# Altium PCB Copy of DIOT_temperature_logger.PcbDoc (part 1 of 7) (continued)
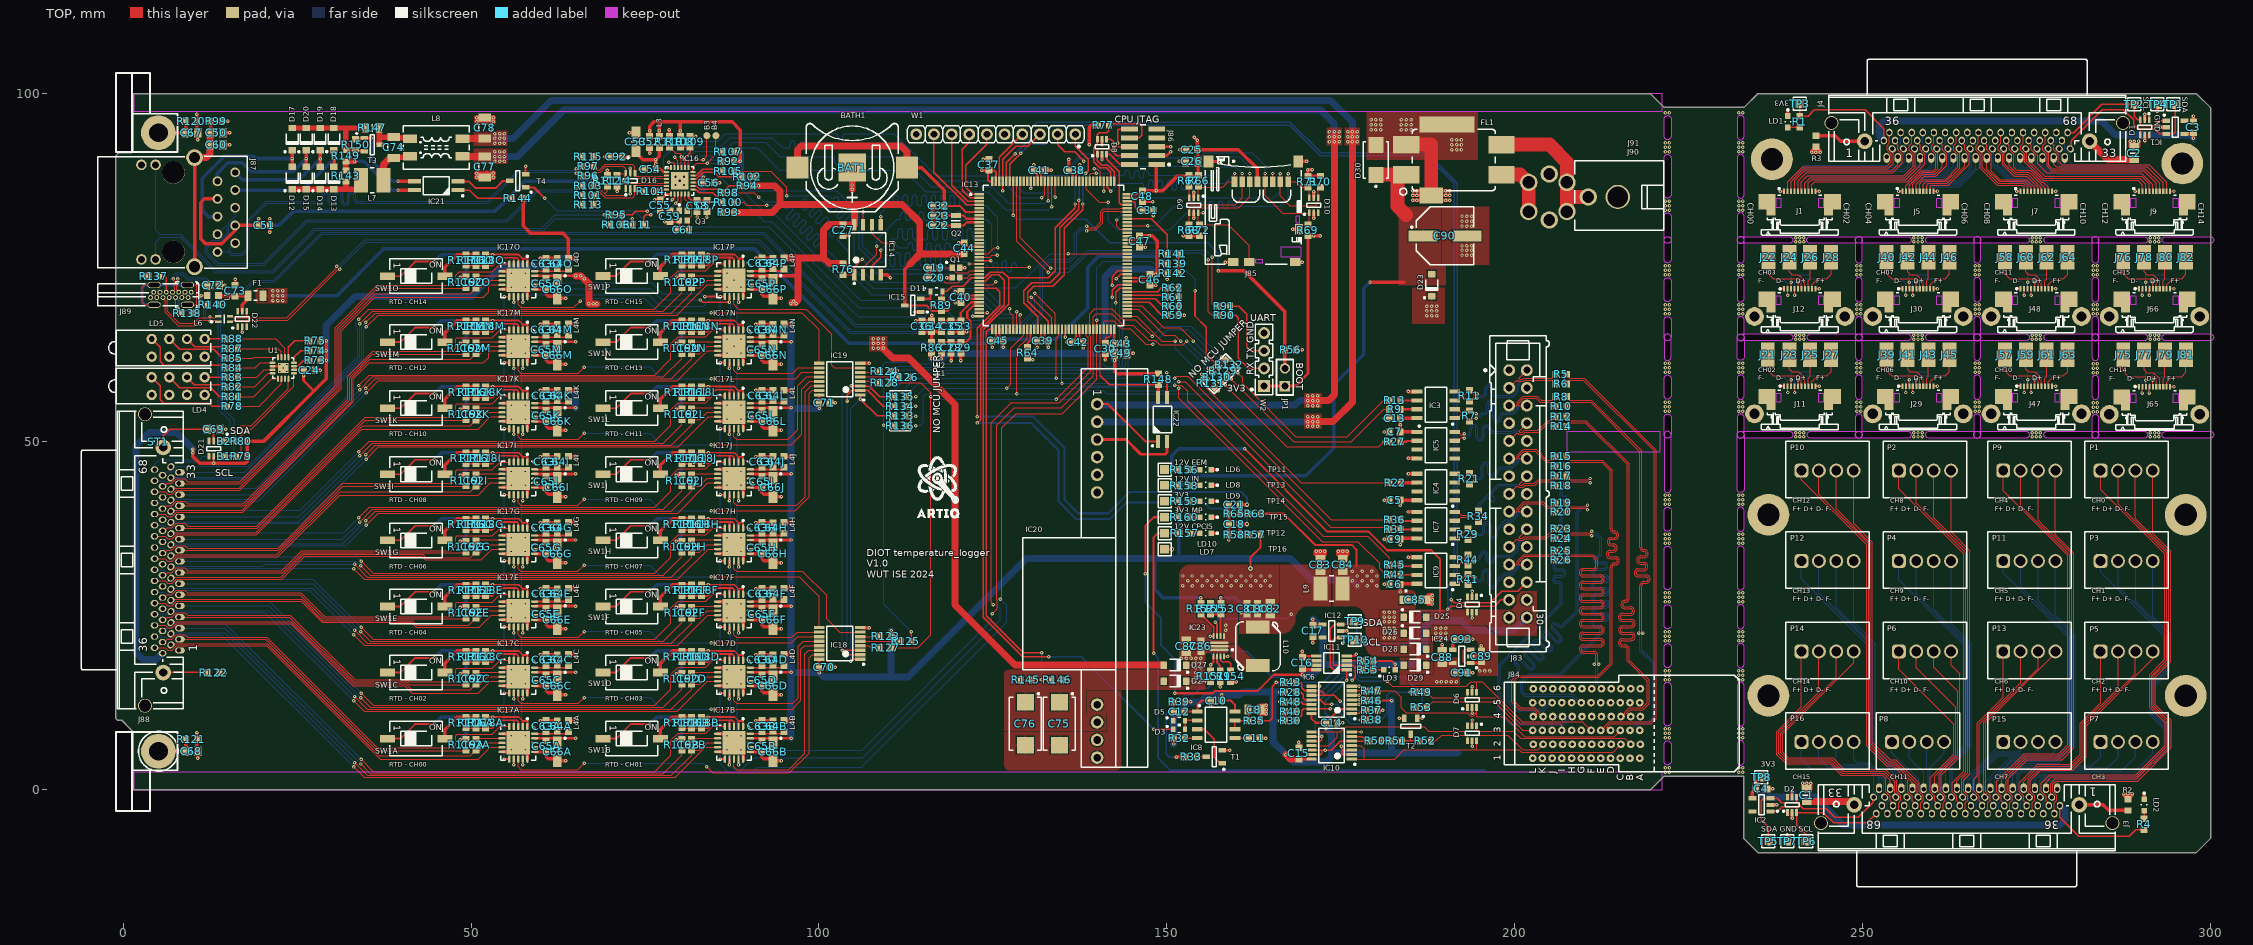
[diagram p0: TOP view]
## Design rules (kind name [scope] priority, off if disabled: settings) (continued)
ParallelSegment ParallelSegment_PHY [InNetClass('PHY')] p5: limit=10 gap=0.5
ParallelSegment ParallelSegment_SD [InNetClass('SD')] p6: limit=10 gap=0.5
ParallelSegment ParallelSegment_QSPI [InNetClass('QSPI')] p7: limit=10 gap=0.533
PlaneClearance PlaneClearance_HV [InNetClass('HV')] p1: clearance=1
PlaneClearance [All] p2: clearance=0.2
PlaneConnect [All] p1: pad.planeconnectstyle=Relief pad.reliefexpansion=0.254 pad.reliefentries=4 pad.reliefconductorwidth=0.254 pad.reliefairgap=0.152 via.planeconnectstyle=Direct via.reliefexpansion=0.508 via.reliefentries=4 via.reliefconductorwidth=0.254 via.reliefairgap=0.254
PolygonConnect [isVia] p1: connectstyle=Direct reliefconductorwidth=0.254 reliefentries=4 polygonreliefangle="90 Angle" airgapwidth=0.254
PolygonConnect PolygonConnect_LDO [HasFootprint('SON50P300X300X80-9N-R170X244')] p2: connectstyle=Direct reliefconductorwidth=0.254 reliefentries=4 polygonreliefangle="90 Angle" airgapwidth=0.254
PolygonConnect PolygonConnect_SO8 [All vs HasFootprint('SOIC127P600X175-8N')] p3: connectstyle=Direct reliefconductorwidth=0.254 reliefentries=4 polygonreliefangle="90 Angle" airgapwidth=0.254
PolygonConnect PowerPolygon [All vs HasFootprint('TEXAS_RGX0011A')] p4: connectstyle=Direct reliefconductorwidth=0.254 reliefentries=4 polygonreliefangle="90 Angle" airgapwidth=0.254
PolygonConnect PowerPolygon_1 [All vs HasFootprint('IND_TDK_SPM6530')] p5: connectstyle=Direct reliefconductorwidth=0.254 reliefentries=4 polygonreliefangle="90 Angle" airgapwidth=0.254
PolygonConnect PowerPolygon_USB [All vs HasFootprint('KYCON_KUSBX-SL-CS1N14-B')] p6: connectstyle=Direct reliefconductorwidth=0.254 reliefentries=4 polygonreliefangle="90 Angle" airgapwidth=0.254
PolygonConnect PolygonConnect_Power [InComponent('C155') or InComponent('C156') or  InComponent('C157') or  InComponent('C158') or InComponent('C163') or InComponent('C164')  or InComponent('C165')or InComponent('C167') or InComponent('L2_1')  or InComponent('L2_2') or InComponent('L2_3') or InComponent('L2_4')    or InComponent('L4_1')  or InComponent('L4_2') or InComponent('L4_3') or InComponent('L4_4')] p7: connectstyle=Relief reliefconductorwidth=0.4 reliefentries=4 polygonreliefangle="90 Angle" airgapwidth=0.254
PolygonConnect PolygonConnect_BGA [HasFootprint('LGA25C127P5X5_625X625X192')] p8: connectstyle=Direct reliefconductorwidth=0.254 reliefentries=4 polygonreliefangle="90 Angle" airgapwidth=0.254
PolygonConnect PolygonConnect_pad [All] p9: thpad.connectstyle=Relief thpad.reliefconductorwidth=0.254 thpad.reliefentries=4 thpad.polygonreliefangle="90 Angle" thpad.airgapwidth=0.152 smdpad.connectstyle=Relief smdpad.reliefconductorwidth=0.254 smdpad.reliefentries=4 smdpad.polygonreliefangle="90 Angle" smdpad.airgapwidth=0.152 via.connectstyle=Direct via.reliefconductorwidth=0.254 via.reliefentries=4 via.polygonreliefangle="90 Angle" via.airgapwidth=0.152
ReturnPath ReturnPath_PHY_T [InNetClass('PHY_T')] p1: impedanceprofileid={72595B2D-DB80-4762-8402-0ED76FD3E2C2} _gaplimit=0 _useantipads=TRUE
ReturnPath ReturnPath_PHY [InNetClass('PHY')] p2: impedanceprofileid={72595B2D-DB80-4762-8402-0ED76FD3E2C2} _gaplimit=0 _useantipads=TRUE
ReturnPath ReturnPath_LVDS [InNetClass('LVDS')] p3: impedanceprofileid={ED597564-6D22-4C41-AEDB-F21F24BAB821} _gaplimit=0 _useantipads=TRUE
ReturnPath ReturnPath_SD [InNetClass('SD')] p4: impedanceprofileid={20DC70F6-4B95-4518-9551-CADF6722EEF5} _gaplimit=0 _useantipads=TRUE
ReturnPath ReturnPath_QSPI [InNetClass('QSPI')] p5: impedanceprofileid={86676834-1970-432C-9602-162800B75D81} _gaplimit=0 _useantipads=TRUE
ReturnPath ReturnPath_USB [InNetClass('USB')] p6: impedanceprofileid={037889F8-43CA-405E-8561-61A34FA8F9C2} _gaplimit=0 _useantipads=TRUE
ReturnPath ReturnPath_RMII [InNetClass('RMII')] p7: impedanceprofileid={95436CA8-0AF9-48FC-8836-A3859236161A} _gaplimit=0 _useantipads=TRUE
RoomDefinition RTD_15 [InComponentClass('RTD_15')] p1: confinementstyle=ConfineIn formatcopy=FALSE lockcomponents=FALSE outline 67.5,69 97,69 97,77.525 67.5,77.525
RoomDefinition RTD_10 [InComponentClass('RTD_10')] p2: confinementstyle=ConfineIn formatcopy=TRUE lockcomponents=FALSE outline 36.5,50 66,50 66,58.525 36.5,58.525
RoomDefinition RTD_14 [InComponentClass('RTD_14')] p3: confinementstyle=ConfineIn formatcopy=TRUE lockcomponents=FALSE outline 36.5,68.975 66,68.975 66,77.5 36.5,77.5
RoomDefinition RTD_12 [InComponentClass('RTD_12')] p4: confinementstyle=ConfineIn formatcopy=TRUE lockcomponents=FALSE outline 36.5,59.5 66,59.5 66,68.025 36.5,68.025
RoomDefinition RTD_00 [InComponentClass('RTD_00')] p5: confinementstyle=ConfineIn formatcopy=TRUE lockcomponents=FALSE outline 36.5,2.5 66,2.5 66,11.025 36.5,11.025
RoomDefinition RTD_08 [InComponentClass('RTD_08')] p6: confinementstyle=ConfineIn formatcopy=TRUE lockcomponents=FALSE outline 36.5,40.5 66,40.5 66,49.025 36.5,49.025
RoomDefinition RTD_01 [InComponentClass('RTD_01')] p7: confinementstyle=ConfineIn formatcopy=FALSE lockcomponents=FALSE outline 67.5,2.5 97,2.5 97,11.025 67.5,11.025
RoomDefinition RTD_02 [InComponentClass('RTD_02')] p8: confinementstyle=ConfineIn formatcopy=TRUE lockcomponents=FALSE outline 36.5,12 66,12 66,20.525 36.5,20.525
RoomDefinition RTD_05 [InComponentClass('RTD_05')] p9: confinementstyle=ConfineIn formatcopy=FALSE lockcomponents=FALSE outline 67.5,21.5 97,21.5 97,30.025 67.5,30.025
RoomDefinition RTD_06 [InComponentClass('RTD_06')] p10: confinementstyle=ConfineIn formatcopy=TRUE lockcomponents=FALSE outline 36.5,31 66,31 66,39.525 36.5,39.525
RoomDefinition RTD_04 [InComponentClass('RTD_04')] p11: confinementstyle=ConfineIn formatcopy=TRUE lockcomponents=FALSE outline 36.5,21.5 66,21.5 66,30.025 36.5,30.025
RoomDefinition RTD_09 [InComponentClass('RTD_09')] p12: confinementstyle=ConfineIn formatcopy=FALSE lockcomponents=FALSE outline 67.5,40.5 97,40.5 97,49.025 67.5,49.025
RoomDefinition RTD_13 [InComponentClass('RTD_13')] p13: confinementstyle=ConfineIn formatcopy=FALSE lockcomponents=FALSE outline 67.5,59.5 97,59.5 97,68.025 67.5,68.025
RoomDefinition RTD_03 [InComponentClass('RTD_03')] p14: confinementstyle=ConfineIn formatcopy=FALSE lockcomponents=FALSE outline 67.5,12 97,12 97,20.525 67.5,20.525
RoomDefinition RTD_07 [InComponentClass('RTD_07')] p15: confinementstyle=ConfineIn formatcopy=FALSE lockcomponents=FALSE outline 67.5,31 97,31 97,39.525 67.5,39.525
RoomDefinition RTD_11 [InComponentClass('RTD_11')] p16: confinementstyle=ConfineIn formatcopy=FALSE lockcomponents=FALSE outline 67.5,50 97,50 97,58.525 67.5,58.525
RoutingVias RoutingVias_HPOW [InNetClass('HPOW')] p1: holewidth=0.711 width=1.27 viastyle="Through Hole" minholewidth=0.711 minwidth=1.27 maxholewidth=0.711 maxwidth=1.27 useviatemplates=TRUE viatemplateguid#1={F578D057-30EB-4709-90BA-9E25A9306484} viatemplateguid#2={B5D767B0-96F0-490E-9621-DF468C9DD5C8} viatemplatename#1=v50h20m0mx0 viatemplatename#2=v66h33m0mx0
RoutingVias [All] p2: holewidth=0.2 width=0.5 viastyle="Through Hole" minholewidth=0.2 minwidth=0.5 maxholewidth=1 maxwidth=2 viatemplateguid#1={B5D767B0-96F0-490E-9621-DF468C9DD5C8} viatemplateguid#2={F578D057-30EB-4709-90BA-9E25A9306484} viatemplateguid#3={A86ABFB5-DEF7-4A39-8B53-0CFF0DEED7D0} viatemplateguid#4={CC3703E4-4F4D-4ECC-8BAE-5075FE03B580} viatemplatename#1=v66h33m0mx0 viatemplatename#2=v50h20m0mx0 viatemplatename#3=v60h30 viatemplatename#4=v70h40m0mx0
SMDToCorner [All] p1: distance=0
SignalStimulus [All] p1: kind=1 level=0 starttime=10.00n stoptime=60.00n periodtime=100.0n
SilkToSilkClearance [All] p1: silktosilkclearance=0.076
SilkToSolderMaskClearance SilkscreenOverComponentPads [IsPad] p1: minsilkscreentomaskgap=0.102 clearancetoexposedcopper=TRUE
SolderMaskExpansion Via [isVia] p1: expansion=-0.015 istentingtop=TRUE
SolderMaskExpansion [All] p2: expansion=0.015 istentingtop=FALSE
StubLength StubLength_USB [InNetClass('USB')] p1: limit=1.27
StubLength StubLength_PHY_T [InNetClass('PHY_T')] p2: limit=1.27
StubLength StubLength_PHT [InNetClass('PHY')] p3: limit=1.27
StubLength StubLength_SD [All] p4: limit=1.27
StubLength StubLength_RMII [InNetClass('RMII')] p5: limit=1.27
SupplyNets "Schematic Supply Nets_8" [InNet('P3V3_EXP2')] p1: voltage=0.000
SupplyNets "Schematic Supply Nets_3" [InNet('P3V3_EXP1')] p2: voltage=0.000
SupplyNets "Schematic Supply Nets_17" [InNet('P12V0_F')] p3: voltage=0.000
SupplyNets "Schematic Supply Nets_16" [InNet('P12V0_CPCIS')] p4: voltage=0.000
SupplyNets "Schematic Supply Nets_15" [InNet('5V0_USB')] p5: voltage=0.000
SupplyNets "Schematic Supply Nets_14" [InNet('P12V0_IN')] p6: voltage=0.000
SupplyNets "Schematic Supply Nets_13" [InNet('GND')] p7: voltage=0.000
SupplyNets "Schematic Supply Nets_12" [InNet('P3V3_CPCIS')] p8: voltage=0.000
SupplyNets "Schematic Supply Nets_11" [InNet('P3V3')] p9: voltage=0.000
SupplyNets "Schematic Supply Nets_10" [InNet('P12V0F')] p10: voltage=0.000
SupplyNets "Schematic Supply Nets_9" [InNet('P12V0_POE')] p11: voltage=0.000
SupplyNets "Schematic Supply Nets_7" [InNet('P3V3_MP')] p12: voltage=0.000
SupplyNets "Schematic Supply Nets_6" [InNet('VBUS')] p13: voltage=0.000
SupplyNets "Schematic Supply Nets_4" [InNet('AVDDT_PHY')] p14: voltage=0.000
SupplyNets "Schematic Supply Nets_2" [InNet('VIN')] p15: voltage=0.000
SupplyNets "Schematic Supply Nets_1" [InNet('GNDF')] p16: voltage=0.000
SupplyNets "Schematic Supply Nets" [InNet('P12V0_EEM')] p17: voltage=0.000
ViasUnderSMD ViasUnderSMD_QFN [HasFootprint('TSSOP28-EP') or HasFootprint('QFN65P500X500X80-21N-S335') or HasFootprint('QFN24_0R5_4X4') or HasFootprint('HVQFN-16')] p1: allowed=TRUE
ViasUnderSMD [All] p2: allowed=FALSE
Width Width_SDCard [InNetClass('SD')] p1: maxlimit=0.406 minlimit=0.102 preferedwidth=0.171 midlayer1_maxwidth=0.305 midlayer1_prefwidth=0.134 midlayer2_maxwidth=0.305 midlayer2_prefwidth=0.134 impedanceprofiledriven=TRUE impedanceprofileid={20DC70F6-4B95-4518-9551-CADF6722EEF5} impedanceprofilevalue=50.000000 minimp=50.000000 maximp=50.000000 favimp=50.000000
Width QSPI [InNetClass('QSPI')] p2: maxlimit=0.406 minlimit=0.102 preferedwidth=0.171 midlayer1_maxwidth=0.305 midlayer1_prefwidth=0.134 midlayer2_maxwidth=0.305 midlayer2_prefwidth=0.134 impedanceprofiledriven=TRUE impedanceprofileid={86676834-1970-432C-9602-162800B75D81} impedanceprofilevalue=50.000000 minimp=50.000000 maximp=50.000000 favimp=50.000000
Width RMII [InNetClass('RMII')] p3: maxlimit=0.203 minlimit=0.127 preferedwidth=0.171 toplayer_minwidth=0.152 midlayer1_prefwidth=0.134 midlayer2_prefwidth=0.134 bottomlayer_minwidth=0.152 impedanceprofiledriven=TRUE impedanceprofileid={95436CA8-0AF9-48FC-8836-A3859236161A} impedanceprofilevalue=50.000000 minimp=50.000000 maximp=50.000000 favimp=50.000000
Width Width_HPOW [InNetClass('HPOW')] p4: maxlimit=4 minlimit=0.254 preferedwidth=0.5
Width [All] p5: maxlimit=2 minlimit=0.1 preferedwidth=0.2 checkconnectedcopper=TRUE
18 further rules are at their usual default settings.

## Classes and differential pairs
net class SITempNetClass: 5V0_USB AVDDT_PHY GND GNDF P3V3 P3V3_CPCIS P3V3_EXP1 P3V3_EXP2 P3V3_MP P12V0_CPCIS P12V0_EEM P12V0_F P12V0_IN P12V0_POE P12V0F VBUS VIN
net class SITempNetClass: 5V0_USB AVDDT_PHY GND GNDF P3V3 P3V3_CPCIS P3V3_EXP1 P3V3_EXP2 P3V3_MP P12V0_CPCIS P12V0_EEM P12V0_F P12V0_IN P12V0_POE P12V0F VBUS VIN
net class "Adapter T": TFORCE_N00 TFORCE_N01 TFORCE_N02 TFORCE_N03 TFORCE_N04 TFORCE_N05 TFORCE_N06 TFORCE_N07 TFORCE_N08 TFORCE_N09 TFORCE_N10 TFORCE_N11 TFORCE_N12 TFORCE_N13 TFORCE_N14 TFORCE_N15 TFORCE_P00 TFORCE_P01 TFORCE_P02 TFORCE_P03 TFORCE_P04 TFORCE_P05 TFORCE_P06 TFORCE_P07 TFORCE_P08 TFORCE_P09 TFORCE_P10 TFORCE_P11 TFORCE_P12 TFORCE_P13 TFORCE_P14 TFORCE_P15
component class Designator: C1 C2 C3 C4 D1 D2 IC1 IC2 J1 J2 J3 J4 J5 J6 J7 J8 J9 J10 J11 J12 J13 J14 J15 J16 J17 J18 J19 J20 J21 J22 J23 J24 J25 J26 J27 J28 J29 J30 J31 J32 J33 J34 J35 J36 J37 J38 J39 J40 J41 J42 J43 J44 J45 J46 J47 J48 J49 J50 J51 J52 J53 J54 J55 J56 J57 J58 J59 J60 J61 J62 J63 J64 J65 J66 J67 J68 J69 J70 J71 J72 J73 J74 J75 J76 J77 J78 J79 J80 J81 J82 LD1 LD2 P1 P2 P3 P4 P5 P6 P7 P8 P9 P10 P11 P12 P13 P14 P15 P16 R1 R2 R3 R4 TP1 TP2 TP3 TP4 TP5 TP6 TP7 TP8
net class SITempNetClass: 3V3 5V0_USB AVDDT_PHY GND GNDF P3V3 P3V3_CPCIS P3V3_MP P12V0_CPCIS P12V0_EEM P12V0_F P12V0_IN P12V0_POE P12V0F PHY_NRST RMII_CRS_DV RMII_REF_CLK RMII_RXD0 RMII_RXD1 RMII_TX_EN RMII_TXD0 RMII_TXD1 USB_N USB_P USBJ_N USBJ_P VBUS VIN
differential pair class PHY: PHY_RD PHY_TD
differential pair class PHY_T: RD TD
differential pair class USB: USB USBJ
differential pair class LVDS: BP_IO.LVDS0 BP_IO.LVDS1 BP_IO.LVDS2 BP_IO.LVDS3 BP_IO.LVDS4 BP_IO.LVDS5 BP_IO.LVDS6 BP_IO.LVDS7 LVDS0 LVDS1 LVDS2 LVDS3 LVDS4 LVDS5 LVDS6 LVDS7
net class PHY_T: RD_N RD_P TD_N TD_P
net class CS_MAX: MAX_CH_A0 MAX_CH_A1 MAX_CH_A2 MAX_CH_A3 MAX_CS00 MAX_CS01 MAX_CS02 MAX_CS03 MAX_CS04 MAX_CS05 MAX_CS06 MAX_CS07 MAX_CS08 MAX_CS09 MAX_CS10 MAX_CS11 MAX_CS12 MAX_CS13 MAX_CS14 MAX_CS15
net class POWE: 3V3 5V0_USB P3V3 P3V3_CPCIS P3V3_MP P12V0_CPCIS P12V0_EEM P12V0_F P12V0_IN P12V0_POE P12V0F POE_VC+ POE_VC- USB_VBUS VBAT VBUS VC+ VC- VDDA VDDCR VIN VREF+
net class JTAG: JRST RSTn SWCLK SWDIO TDI TDO
net class BP_IO: BP_IO.LVDS0_N BP_IO.LVDS0_P BP_IO.LVDS1_N BP_IO.LVDS1_P BP_IO.LVDS2_N BP_IO.LVDS2_P BP_IO.LVDS3_N BP_IO.LVDS3_P BP_IO.LVDS4_N BP_IO.LVDS4_P BP_IO.LVDS5_N BP_IO.LVDS5_P BP_IO.LVDS6_N BP_IO.LVDS6_P BP_IO.LVDS7_N BP_IO.LVDS7_P
net class USB: USB_N USB_P USBJ_N USBJ_P
net class DEBUG: JRST RSTn SWCLK SWDIO TDI TDO
net class SPI: CSN EEM_GPIO_0 EEM_GPIO_1 EEM_GPIO_2 EEM_GPIO_3 EEM_SCK EEM_SDI EEM_SDO SPI1_MISO SPI1_MOSI SPI1_NSS SPI1_SCK SPI4_CLK SPI4_MISO SPI4_MOSI SPI4_NSS
net class QSPI: QSPI_BK1_CLK QSPI_BK1_D0 QSPI_BK1_D1 QSPI_BK1_D2 QSPI_BK1_D3 QSPI_BK1_NSS
net class SD: SD_CK SD_CMD SD_D0 SD_D1 SD_D2 SD_D3
net class LVDS: LVDS0_N LVDS0_P LVDS1_N LVDS1_P LVDS2_N LVDS2_P LVDS3_N LVDS3_P LVDS4_N LVDS4_P LVDS5_N LVDS5_P LVDS6_N LVDS6_P LVDS7_N LVDS7_P
net class PHY: PHY_RD_N PHY_RD_P PHY_TD_N PHY_TD_P RD_N RD_P TD_N TD_P
net class RMII: PHY_NRST RMII_CRS_DV RMII_REF_CLK RMII_RXD0 RMII_RXD1 RMII_TX_EN RMII_TXD0 RMII_TXD1
net class PWR: P12V0_CPCIS
component class RTD_15: C62P C63P C64P C65P C66P IC17P L4P R116P R117P R118P R119P SW1P
component class RTD_14: C62O C63O C64O C65O C66O IC17O L4O R116O R117O R118O R119O SW1O
component class RTD_13: C62N C63N C64N C65N C66N IC17N L4N R116N R117N R118N R119N SW1N
component class RTD_12: C62M C63M C64M C65M C66M IC17M L4M R116M R117M R118M R119M SW1M
component class RTD_11: C62L C63L C64L C65L C66L IC17L L4L R116L R117L R118L R119L SW1L
component class RTD_10: C62K C63K C64K C65K C66K IC17K L4K R116K R117K R118K R119K SW1K
component class RTD_09: C62J C63J C64J C65J C66J IC17J L4J R116J R117J R118J R119J SW1J
component class RTD_08: C62I C63I C64I C65I C66I IC17I L4I R116I R117I R118I R119I SW1I
component class RTD_07: C62H C63H C64H C65H C66H IC17H L4H R116H R117H R118H R119H SW1H
component class RTD_06: C62G C63G C64G C65G C66G IC17G L4G R116G R117G R118G R119G SW1G
component class RTD_05: C62F C63F C64F C65F C66F IC17F L4F R116F R117F R118F R119F SW1F
component class RTD_04: C62E C63E C64E C65E C66E IC17E L4E R116E R117E R118E R119E SW1E
channel class RTD: RTD_00 RTD_01 RTD_02 RTD_03 RTD_04 RTD_05 RTD_06 RTD_07 RTD_08 RTD_09 RTD_10 RTD_11 RTD_12 RTD_13 RTD_14 RTD_15
component class RTD_03: C62D C63D C64D C65D C66D IC17D L4D R116D R117D R118D R119D SW1D
component class RTD_02: C62C C63C C64C C65C C66C IC17C L4C R116C R117C R118C R119C SW1C
component class RTD_01: C62B C63B C64B C65B C66B IC17B L4B R116B R117B R118B R119B SW1B
component class RTD_00: C62A C63A C64A C65A C66A IC17A L4A R116A R117A R118A R119A SW1A
net class HPOW: NetC74_1 NetC74_2 P12V0_POE POE_VC+ POE_VC- VC+ VC- VIN
component class EEM_connector: C5 C6 C7 C8 C9 C10 C11 C12 C13 C14 C15 C16 C17 D3 D4 D5 D6 D7 IC3 IC4 IC5 IC6 IC7 IC8 IC9 IC10 IC11 IC12 J83 J84 LD3 R5 R6 R7 R8 R9 R10 R11 R12 R13 R14 R15 R16 R17 R18 R19 R20 R21 R22 R23 R24 R25 R26 R27 R28 R29 R30 R31 R32 R33 R34 R35 R36 R37 R38 R39 R40 R41 R42 R43 R44 R45 R46 R47 R48 R49 R50 R51 R52 R53 R54 R55 T1 T2 TP9 TP10
component class Thermostat_16CH: C67 C68 C69 C70 C71 D21 IC18 IC19 J88 R120 R121 R122 R123 R124 R125 R126 R127 R128 R129 R130 R131 R132 R133 R134 R135 R136 SCREW5 SCREW6 SCREW7 SCREW8 ST1 Standoff1 Standoff2 Standoff4
net class HV: NetC74_1 NetC74_2 NetIC20_3 NetIC21_3 NetIC21_4 POE_IN1 POE_IN2 POE_IN3 POE_IN4 POE_VC+ POE_VC- VC+ VC-
component class USB: C72 C73 D22 F1 J89 L5 L6 R137 R138 R139 R140 R141 R142
component class U_STM32_F4CPU: B1 B2 BAT1 BATH1 C18 C19 C20 C21 C22 C23 C24 C25 C26 C27 C28 C29 C30 C31 C32 C33 C34 C35 C36 C37 C38 C39 C40 C41 C42 C43 C44 C45 C46 C47 C48 C49 D8 D9 D10 D11 IC13 IC14 IC15 J85 J86 JP1 L1 L2 LD4 LD5 Q1 Q2 R56 R57 R58 R59 R60 R61 R62 R63 R64 R65 R66 R67 R68 R69 R70 R71 R72 R73 R74 R75 R76 R77 R78 R79 R80 R81 R82 R83 R84 R85 R86 R87 R88 R89 R90 R91 U1 W1 W2
component class RMII_Ethernet: B3 B4 C50 C51 C52 C53 C54 C55 C56 C57 C58 C59 C60 C61 C92 D12 D13 D14 D15 D16 D17 D18 D19 D20 IC16 J87 L3 Q3 R92 R93 R94 R95 R96 R97 R98 R99 R100 R101 R102 R103 R104 R105 R106 R107 R108 R109 R110 R111 R112 R113 R114 R115
component class U_Thermostat_Supply: C74 C75 C76 C77 C78 C79 C80 C81 C82 C83 C84 C85 C86 C87 C88 C89 C90 C91 C93 D23 D24 D25 D26 D27 D28 D29 D30 FL1 IC20 IC21 IC22 IC23 IC24 J90 J91 L7 L8 L9 L10 LD6 LD7 LD8 LD9 LD10 R143 R144 R145 R146 R147 R148 R149 R150 R151 R152 R153 R154 R155 R156 R157 R158 R159 R160 T3 T4 TP11 TP12 TP13 TP14 TP15 TP16
differential pair BP_IO.LVDS1: +BP_IO.LVDS1_P -BP_IO.LVDS1_N
differential pair BP_IO.LVDS0: +BP_IO.LVDS0_P -BP_IO.LVDS0_N
differential pair BP_IO.LVDS3: +BP_IO.LVDS3_P -BP_IO.LVDS3_N
differential pair BP_IO.LVDS7: +BP_IO.LVDS7_P -BP_IO.LVDS7_N
differential pair BP_IO.LVDS6: +BP_IO.LVDS6_P -BP_IO.LVDS6_N
differential pair BP_IO.LVDS5: +BP_IO.LVDS5_P -BP_IO.LVDS5_N
differential pair BP_IO.LVDS4: +BP_IO.LVDS4_P -BP_IO.LVDS4_N
differential pair BP_IO.LVDS2: +BP_IO.LVDS2_P -BP_IO.LVDS2_N
differential pair LVDS7: +LVDS7_P -LVDS7_N
differential pair LVDS6: +LVDS6_P -LVDS6_N
differential pair LVDS5: +LVDS5_P -LVDS5_N
differential pair LVDS4: +LVDS4_P -LVDS4_N
differential pair LVDS3: +LVDS3_P -LVDS3_N
differential pair LVDS2: +LVDS2_P -LVDS2_N
differential pair LVDS1: +LVDS1_P -LVDS1_N
differential pair LVDS0: +LVDS0_P -LVDS0_N
differential pair TD: +TD_P -TD_N
differential pair RD: +RD_P -RD_N
differential pair USB: +USB_P -USB_N
differential pair USBJ: +USBJ_P -USBJ_N
differential pair PHY_TD: +PHY_TD_P -PHY_TD_N
differential pair PHY_RD: +PHY_RD_P -PHY_RD_N

## Components (designator, comment, footprint, x,y, rotation, side; value= is the part's Value field where it differs from the comment)
B1 "SMD Pad" C100 14.5,47.9 r90 top
B2 "SMD Pad" C100 14.5,50.1 r90 top
B3 "SMD Pad" C100 83.9,94 r0 top
B4 "SMD Pad" C100 85.2,94 r0 top
BAT1 "3V" BAT_VARTA_CR1220 104.8,89.4 r0 top
BATH1 "Value" BATH_KEYSTONE_3000 104.8,89.4 r0 top locked
C1 "Undefined" CAPC2012X135N 242,-0.8 r270 top
C2 "Undefined" CAPC2012X135N 289.1,91.5 r270 top
C3 "100nF" CAPC1608X87N 297.6,95.2 r270 top
C4 "100nF" CAPC1608X87N 235.5,0.1 r180 top
C5 "100nF" CAPC1608X87N 182.8,41.6 r180 top
C6 "100nF" CAPC1608X87N 182.8,29.5 r180 top
C7 "100nF" CAPC1608X87N 182.8,51.4 r0 top
C8 "22uF" CAPC2012X135N 162.6,11.5 r180 top
C9 "100nF" CAPC1608X87N 182.8,36 r180 top
C10 "100nF" CAPC1608X87N 157.1,12.8 r0 top
C11 "100nF" CAPC1608X87N 162.6,7.4 r180 top
C12 "1uF" CAPC1608X87N 151.8,11.2 r180 top
C13 "100nF" CAPC1608X87N 182.8,53.4 r180 top
C14 "100nF" CAPC1608X87N 173.7,9.6 r180 top
C15 "100nF" CAPC1608X87N 169,5.2 r270 top
C16 "100nF" CAPC1608X87N 169.5,18.2 r270 top
C17 "100nF" CAPC1608X87N 171,22.8 r90 top
C18 "100nF" CAPC1608X87N 159.7,38.15 r0 top
C19 "18pF" CAPC1608X87N 116.6,75 r0 top
C20 "18pF" CAPC1608X87N 116.6,73.6 r180 top
C21 "100nF" CAPC1608X87N 159.7,40.95 r0 top
C22 "12pF" CAPC1608X87N 117.2,81.1 r180 top
C23 "12pF" CAPC1608X87N 117.2,82.5 r180 top
C24 "100nF" CAPC1608X87N 26.725,60.3 r180 top
C25 "100nF" CAPC1608X87N 153.6,92 r0 top
C26 "22uF" CAPC2012X135N 153.6,90.3 r0 top
C27 "100nF" CAPC1608X87N 103.5,80.4 r90 top
C28 "1uF" CAPC1608X87N 119,63.5 r90 top
C29 "10nF" CAPC1608X87N 120.4,63.5 r90 top
C30 "2.2uF" CAPC1608X90N 141.2,63.4 r90 top
C31 "2.2uF" CAPC1608X90N 147.3,83.3 r180 top
C32 "100nF" CAPC1608X87N 117.2,83.9 r0 top
C33 "10nF" CAPC1608X87N 120.4,66.6 r90 top
C34 "1uF" CAPC1608X87N 116.2,66.6 r270 top
C35 "100nF" CAPC1608X87N 119,66.6 r90 top
C36 "100nF" CAPC1608X87N 114.8,66.6 r270 top
C37 "100nF" CAPC1608X87N 124.425,89.825 r270 top
C38 "100nF" CAPC1608X87N 136.7,89 r180 top
C39 "100nF" CAPC1608X87N 132.2,64.5 r0 top
C40 "100nF" CAPC1608X87N 120.4,70.8 r90 top
C41 "100nF" CAPC1608X87N 131.7,89 r180 top
C42 "100nF" CAPC1608X87N 137.2,64.3 r0 top
C43 "100nF" CAPC1608X87N 143.4,64.1 r180 top
C44 "100nF" CAPC1608X87N 120.9,77.8 r270 top
C45 "100nF" CAPC1608X87N 125.7,64.5 r0 top
C46 "100nF" CAPC1608X87N 147.6,73.3 r90 top
C47 "100nF" CAPC1608X87N 146.1,78.8 r90 top
C48 "100nF" CAPC1608X87N 146.5,85.3 r90 top
C49 "22uF" CAPC2012X135N 143.4,62.7 r180 top
C50 "Undefined" CAPC2012X135N 13.4,94.4 r0 top
C51 "100nF" CAPC1608X87N 20.275,81.1 r180 top
C52 "100nF" CAPC1608X87N 75.675,93.1 r90 top
C53 "10uF" CAPMP3216X180N 73.7,93.1 r90 top
C54 "100nF" CAPC1608X87N 75.775,89.2 r0 top
C55 "100nF" CAPC1608X87N 77.2,84 r90 top
C56 "100nF" CAPC1608X87N 84.175,87.25 r180 top
C57 "1uF" CAPC1608X87N 83.9,83.9 r90 top
C58 "10nF" CAPC1608X87N 82.5,83.9 r90 top
C59 "18pF" CAPC1608X87N 78.6,82.4 r90 top
C60 "Undefined" CAPC2012X135N 13.4,92.7 r0 top
C61 "18pF" CAPC1608X87N 80.5,80.5 r0 top
C62A "100nF" CAPC1608X87N 50.7,6.425 r90 top (schematic designator C62)
C62B "100nF" CAPC1608X87N 81.7,6.425 r90 top (schematic designator C62)
C62C "100nF" CAPC1608X87N 50.7,15.925 r90 top (schematic designator C62)
C62D "100nF" CAPC1608X87N 81.7,15.925 r90 top (schematic designator C62)
C62E "100nF" CAPC1608X87N 50.7,25.425 r90 top (schematic designator C62)
C62F "100nF" CAPC1608X87N 81.7,25.425 r90 top (schematic designator C62)
C62G "100nF" CAPC1608X87N 50.7,34.925 r90 top (schematic designator C62)
C62H "100nF" CAPC1608X87N 81.7,34.925 r90 top (schematic designator C62)
C62I "100nF" CAPC1608X87N 50.7,44.425 r90 top (schematic designator C62)
C62J "100nF" CAPC1608X87N 81.7,44.425 r90 top (schematic designator C62)
C62K "100nF" CAPC1608X87N 50.7,53.925 r90 top (schematic designator C62)
C62L "100nF" CAPC1608X87N 81.7,53.925 r90 top (schematic designator C62)
C62M "100nF" CAPC1608X87N 50.7,63.425 r90 top (schematic designator C62)
C62N "100nF" CAPC1608X87N 81.7,63.425 r90 top (schematic designator C62)
C62O "100nF" CAPC1608X87N 50.7,72.9 r90 top (schematic designator C62)
C62P "100nF" CAPC1608X87N 81.7,72.925 r90 top (schematic designator C62)
C63A "100nF" CAPC1608X87N 60.8,9.125 r270 top (schematic designator C63)
C63B "100nF" CAPC1608X87N 91.8,9.125 r270 top (schematic designator C63)
C63C "100nF" CAPC1608X87N 60.8,18.625 r270 top (schematic designator C63)
C63D "100nF" CAPC1608X87N 91.8,18.625 r270 top (schematic designator C63)
C63E "100nF" CAPC1608X87N 60.8,28.125 r270 top (schematic designator C63)
C63F "100nF" CAPC1608X87N 91.8,28.125 r270 top (schematic designator C63)
C63G "100nF" CAPC1608X87N 60.8,37.625 r270 top (schematic designator C63)
C63H "100nF" CAPC1608X87N 91.8,37.625 r270 top (schematic designator C63)
C63I "100nF" CAPC1608X87N 60.8,47.125 r270 top (schematic designator C63)
C63J "100nF" CAPC1608X87N 91.8,47.125 r270 top (schematic designator C63)
C63K "100nF" CAPC1608X87N 60.8,56.625 r270 top (schematic designator C63)
C63L "100nF" CAPC1608X87N 91.8,56.625 r270 top (schematic designator C63)
C63M "100nF" CAPC1608X87N 60.8,66.125 r270 top (schematic designator C63)
C63N "100nF" CAPC1608X87N 91.8,66.125 r270 top (schematic designator C63)
C63O "100nF" CAPC1608X87N 60.8,75.6 r270 top (schematic designator C63)
C63P "100nF" CAPC1608X87N 91.8,75.625 r270 top (schematic designator C63)
C64A "2.2uF" CAPC1608X90N 62.4,9.125 r270 top (schematic designator C64)
C64B "2.2uF" CAPC1608X90N 93.4,9.125 r270 top (schematic designator C64)
C64C "2.2uF" CAPC1608X90N 62.4,18.625 r270 top (schematic designator C64)
C64D "2.2uF" CAPC1608X90N 93.4,18.625 r270 top (schematic designator C64)
C64E "2.2uF" CAPC1608X90N 62.4,28.125 r270 top (schematic designator C64)
C64F "2.2uF" CAPC1608X90N 93.4,28.125 r270 top (schematic designator C64)
C64G "2.2uF" CAPC1608X90N 62.4,37.625 r270 top (schematic designator C64)
C64H "2.2uF" CAPC1608X90N 93.4,37.625 r270 top (schematic designator C64)
C64I "2.2uF" CAPC1608X90N 62.4,47.125 r270 top (schematic designator C64)
C64J "2.2uF" CAPC1608X90N 93.4,47.125 r270 top (schematic designator C64)
C64K "2.2uF" CAPC1608X90N 62.4,56.625 r270 top (schematic designator C64)
C64L "2.2uF" CAPC1608X90N 93.4,56.625 r270 top (schematic designator C64)
C64M "2.2uF" CAPC1608X90N 62.4,66.125 r270 top (schematic designator C64)
C64N "2.2uF" CAPC1608X90N 93.4,66.125 r270 top (schematic designator C64)
C64O "2.2uF" CAPC1608X90N 62.4,75.6 r270 top (schematic designator C64)
C64P "2.2uF" CAPC1608X90N 93.4,75.625 r270 top (schematic designator C64)
C65A "100nF" CAPC1608X87N 60.8,6.225 r90 top (schematic designator C65)
C65B "100nF" CAPC1608X87N 91.8,6.225 r90 top (schematic designator C65)
C65C "100nF" CAPC1608X87N 60.8,15.725 r90 top (schematic designator C65)
C65D "100nF" CAPC1608X87N 91.8,15.725 r90 top (schematic designator C65)
C65E "100nF" CAPC1608X87N 60.8,25.225 r90 top (schematic designator C65)
C65F "100nF" CAPC1608X87N 91.8,25.225 r90 top (schematic designator C65)
C65G "100nF" CAPC1608X87N 60.8,34.725 r90 top (schematic designator C65)
C65H "100nF" CAPC1608X87N 91.8,34.725 r90 top (schematic designator C65)
C65I "100nF" CAPC1608X87N 60.8,44.225 r90 top (schematic designator C65)
C65J "100nF" CAPC1608X87N 91.8,44.225 r90 top (schematic designator C65)
C65K "100nF" CAPC1608X87N 60.8,53.725 r90 top (schematic designator C65)
C65L "100nF" CAPC1608X87N 91.8,53.725 r90 top (schematic designator C65)
C65M "100nF" CAPC1608X87N 60.8,63.225 r90 top (schematic designator C65)
C65N "100nF" CAPC1608X87N 91.8,63.225 r90 top (schematic designator C65)
C65O "100nF" CAPC1608X87N 60.8,72.7 r90 top (schematic designator C65)
C65P "100nF" CAPC1608X87N 91.8,72.725 r90 top (schematic designator C65)
C66A "10uF" CAPMP3216X180N 62.4,5.425 r270 top (schematic designator C66)
C66B "10uF" CAPMP3216X180N 93.4,5.425 r270 top (schematic designator C66)
C66C "10uF" CAPMP3216X180N 62.4,14.925 r270 top (schematic designator C66)
C66D "10uF" CAPMP3216X180N 93.4,14.925 r270 top (schematic designator C66)
C66E "10uF" CAPMP3216X180N 62.4,24.425 r270 top (schematic designator C66)
C66F "10uF" CAPMP3216X180N 93.4,24.425 r270 top (schematic designator C66)
C66G "10uF" CAPMP3216X180N 62.4,33.925 r270 top (schematic designator C66)
C66H "10uF" CAPMP3216X180N 93.4,33.925 r270 top (schematic designator C66)
C66I "10uF" CAPMP3216X180N 62.4,43.425 r270 top (schematic designator C66)
C66J "10uF" CAPMP3216X180N 93.4,43.425 r270 top (schematic designator C66)
C66K "10uF" CAPMP3216X180N 62.4,52.925 r270 top (schematic designator C66)
C66L "10uF" CAPMP3216X180N 93.4,52.925 r270 top (schematic designator C66)
C66M "10uF" CAPMP3216X180N 62.4,62.425 r270 top (schematic designator C66)
C66N "10uF" CAPMP3216X180N 93.4,62.425 r270 top (schematic designator C66)
C66O "10uF" CAPMP3216X180N 62.4,71.9 r270 top (schematic designator C66)
C66P "10uF" CAPMP3216X180N 93.4,71.925 r270 top (schematic designator C66)
C67 "Undefined" CAPC2012X135N 9.8,94.4 r0 top
C68 "Undefined" CAPC2012X135N 9.8,5.5 r0 top
C69 "Undefined" CAPC2012X135N 13,51.8 r180 top
C70 "100nF" CAPC1608X87N 100.8,17.6 r180 top
C71 "100nF" CAPC1608X87N 100.8,55.6 r180 top
C72 "Undefined" CAPC2012X135N 12.9,72.5 r180 top
C73 "100nF" CAPC1608X87N 16.1,71.7 r270 top
C74 "4.7nF" CAPC3216X140N 38.9,92.3 r270 top
C75 "220uF" CAPMP7343X430N 134.575,9.475 r270 top
C76 "220uF" CAPMP7343X430N 129.675,9.475 r270 top
C77 "4.7nF" CAPC3216X140N 52,89.5 r90 top
C78 "4.7nF" CAPC3216X140N 52,95.1 r270 top
C79 "100nF" CAPC1608X87N 157.7,16.3 r90 top
C80 "100nF" CAPC1608X87N 163.067,26 r270 top
C81 "100nF" CAPC1608X87N 161.567,26 r270 top
C82 "22uF" CAPC2012X135N 164.9,26 r270 top
C83 "22uF" CAPC2012X135N 172.1,32.3 r270 top
C84 "22uF" CAPC2012X135N 175.3,32.3 r270 top
C85 "10uF" CAPMP3216X180N 185.7,27.3 r0 top
C86 "100nF" CAPC1608X87N 154.9,20.6 r270 top
C87 "22uF" CAPC2012X135N 152.8,20.6 r270 top
C88 "22uF" CAPC2012X135N 189.625,19.05 r270 top
C89 "1uF" CAPC1608X87N 195.225,19.15 r270 top
C90 "220uF" CAPAE830X620N 190,79.6 r0 top
C91 "1uF" CAPC1608X87N 192.4,16.8 r180 top
C92 "100nF" CAPC1608X87N 70.9,91 r180 top
C93 "100nF" CAPC1608X87N 192.4,21.6 r180 top
D1 "DRTR5V0U4S-7" SOT65P210X110-6N 290.6,95.2 r270 top
D2 "DRTR5V0U4S-7" SOT65P210X110-6N 239.9,-2.2 r90 top
D3 "CDBU0520-HF" SOD-523F 151.8,8.665 r0 top
D4 "DRTR5V0U4S-7" SOT65P210X110-6N 193.9,26.6 r270 top
D5 "CDBU0520-HF" SOD-523F 151.8,9.9 r0 top
D6 "DRTR5V0U4S-7" SOT65P210X110-6N 193.9,12.9 r90 top
D7 "DRTR5V0U4S-7" SOT65P210X110-6N 193.9,8.1 r270 top
D8 "DRTR5V0U4S-7" SOT65P210X110-6N 140.7,92.4 r90 top
D9 "DRTR5V0U4S-7" SOT65P210X110-6N 153.9,84 r270 top
D10 "DRTR5V0U4S-7" SOT65P210X110-6N 171.15,84 r90 top
D11 "CDBU0520-HF" SOD-523F 116.9,71.6 r0 top
D12 "PMEG6020ER" SODFL3517X110N 24.3,87.9 r90 top
D13 "PMEG6020ER" SODFL3517X110N 30.3,87.9 r90 top
D14 "PMEG6020ER" SODFL3517X110N 28.3,87.9 r90 top
D15 "PMEG6020ER" SODFL3517X110N 26.3,87.9 r90 top
D16 "DRTR5V0U4S-7" SOT65P210X110-6N 72.9,87.5 r90 top
D17 "PMEG6020ER" SODFL3517X110N 24.3,93.5 r90 top
D18 "PMEG6020ER" SODFL3517X110N 30.3,93.5 r90 top
D19 "PMEG6020ER" SODFL3517X110N 28.3,93.5 r90 top
D20 "PMEG6020ER" SODFL3517X110N 26.3,93.5 r90 top
D21 "DRTR5V0U4S-7" SOT65P210X110-6N 13,49 r270 top
D22 "DRTR5V0U4S-7" SOT65P210X110-6N 17.1,67.65 r90 top
D23 "PMEG6020ER" SODFL3517X110N 188.1,72.5 r90 top
D24 "PMEG6020ER" SODFL3517X110N 151.2,15.6 r180 top
D25 "PMEG6020ER" SODFL3517X110N 185.7,24.8 r0 top
D26 "PMEG6020ER" SODFL3517X110N 185.7,22.5 r0 top
D27 "PMEG6020ER" SODFL3517X110N 151.2,17.9 r180 top
D28 "PMEG6020ER" SODFL3517X110N 185.7,20.2 r180 top
D29 "PMEG6020ER" SODFL3517X110N 185.7,17.9 r180 top
D30 "SMBJ15A" DIOM5336X265N 180.075,90.5 r90 top
F1 "500mA-6V" FUSR_BOURNS_MF-PSMF050 19.025,71 r180 top
FL1 "10A/50VDC" FIL_MURATA_BNX02 191.275,90.5 r180 top
IC1 "24AA02E48T-I/OT" SOT95P280X145-5N 295,95.2 r0 top
IC2 "24AA02E48T-I/OT" SOT95P280X145-5N 235.5,-2.2 r180 top
IC3 "FIN1028MX" SOIC127P600X175-8N 188.7,55.3 r180 top
IC4 "FIN1028MX" SOIC127P600X175-8N 188.7,43.5 r180 top
IC5 "FIN1027AMX" SOIC127P600X175-8N 188.7,49.5 r0 top
IC6 "74HC4066PW" SOP65P640X110-14N 173.7,12.9 r180 top
IC7 "FIN1028MX" SOIC127P600X175-8N 188.7,38 r180 top
IC8 "TLC555ID" SOIC127P600X175-8N 157.1,9.3 r0 top
IC9 "FIN1028MX" SOIC127P600X175-8N 188.7,31.5 r180 top
IC10 "74HC4066PW" SOP65P640X110-14N 173.7,6.325 r180 top
IC11 "LM75AIMM/NOPB" SOP65P490X109-8N 173.7,18.2 r180 top
IC12 "24AA02E48T-I/OT" SOT95P280X145-5N 173.7,22.8 r180 top
IC13 "STM32H743ZIT6" FP-LQFP144-1A-MFG 133.7,76.8 r0 top locked
IC14 "W25Q128FVSIG" SOIC127P790X216-8N 107,77.6 r90 top
IC15 "STM809SWX6F" SOT95P237X112-3N 113.5,69.6 r180 top
IC16 "LAN8742A-CZ-TR" QFN24_0R5_4X4 80,87.5 r90 top
IC17A "MAX31865ATP+" QFN65P500X500X80-21N-S335#1 56.8,6.725 r270 top (schematic designator IC17)
IC17B "MAX31865ATP+" QFN65P500X500X80-21N-S335#1 87.8,6.725 r270 top (schematic designator IC17)
IC17C "MAX31865ATP+" QFN65P500X500X80-21N-S335#1 56.8,16.225 r270 top (schematic designator IC17)
IC17D "MAX31865ATP+" QFN65P500X500X80-21N-S335#1 87.8,16.225 r270 top (schematic designator IC17)
IC17E "MAX31865ATP+" QFN65P500X500X80-21N-S335#1 56.8,25.725 r270 top (schematic designator IC17)
IC17F "MAX31865ATP+" QFN65P500X500X80-21N-S335#1 87.8,25.725 r270 top (schematic designator IC17)
IC17G "MAX31865ATP+" QFN65P500X500X80-21N-S335#1 56.8,35.225 r270 top (schematic designator IC17)
IC17H "MAX31865ATP+" QFN65P500X500X80-21N-S335#1 87.8,35.225 r270 top (schematic designator IC17)
IC17I "MAX31865ATP+" QFN65P500X500X80-21N-S335#1 56.8,44.725 r270 top (schematic designator IC17)
IC17J "MAX31865ATP+" QFN65P500X500X80-21N-S335#1 87.8,44.725 r270 top (schematic designator IC17)
IC17K "MAX31865ATP+" QFN65P500X500X80-21N-S335#2 56.8,54.225 r270 top (schematic designator IC17)
IC17L "MAX31865ATP+" QFN65P500X500X80-21N-S335#1 87.8,54.225 r270 top (schematic designator IC17)
IC17M "MAX31865ATP+" QFN65P500X500X80-21N-S335#1 56.8,63.725 r270 top (schematic designator IC17)
IC17N "MAX31865ATP+" QFN65P500X500X80-21N-S335#1 87.8,63.725 r270 top (schematic designator IC17)
IC17O "MAX31865ATP+" QFN65P500X500X80-21N-S335#1 56.8,73.2 r270 top (schematic designator IC17)
IC17P "MAX31865ATP+" QFN65P500X500X80-21N-S335#1 87.8,73.225 r270 top (schematic designator IC17)
IC18 "74HC138PW" SOP65P640X110-16N 102.975,21 r180 top
IC19 "74HC138PW" SOP65P640X110-16N 103,59 r180 top
IC20 "AG5300" SILVERTEL_AG5300 140,30 r270 top locked
IC21 "ACPL-217-500E" SOIC127P700X242-4N 45,86.8 r180 top
IC22 "ACPL-217-500E" SOIC127P700X242-4N 149.4,53.2 r90 top
IC23 "TPS62148RGX" TEXAS_RGX0011A 157.5,20.6 r180 top
IC24 "MIC5219-3.3YM5" SOT95P280X145-5N 192.425,19.15 r180 top
J1 "FFC/FPC" MOLEX_52745-1097 241,86 r0 top
J2 "FFC/FPC" MOLEX_52745-1097 241,86 r180 bottom
J3 "DNP" MOLEX_71430-0013 265,-1.7 r180 top locked
J4 "DNP" MOLEX_71430-0013 266.5,92.7 r0 top locked
J5 "FFC/FPC" MOLEX_52745-1097 257.999,86 r0 top